# Altium PCB BW1097.PcbDoc (part 2 of 7) (continued)
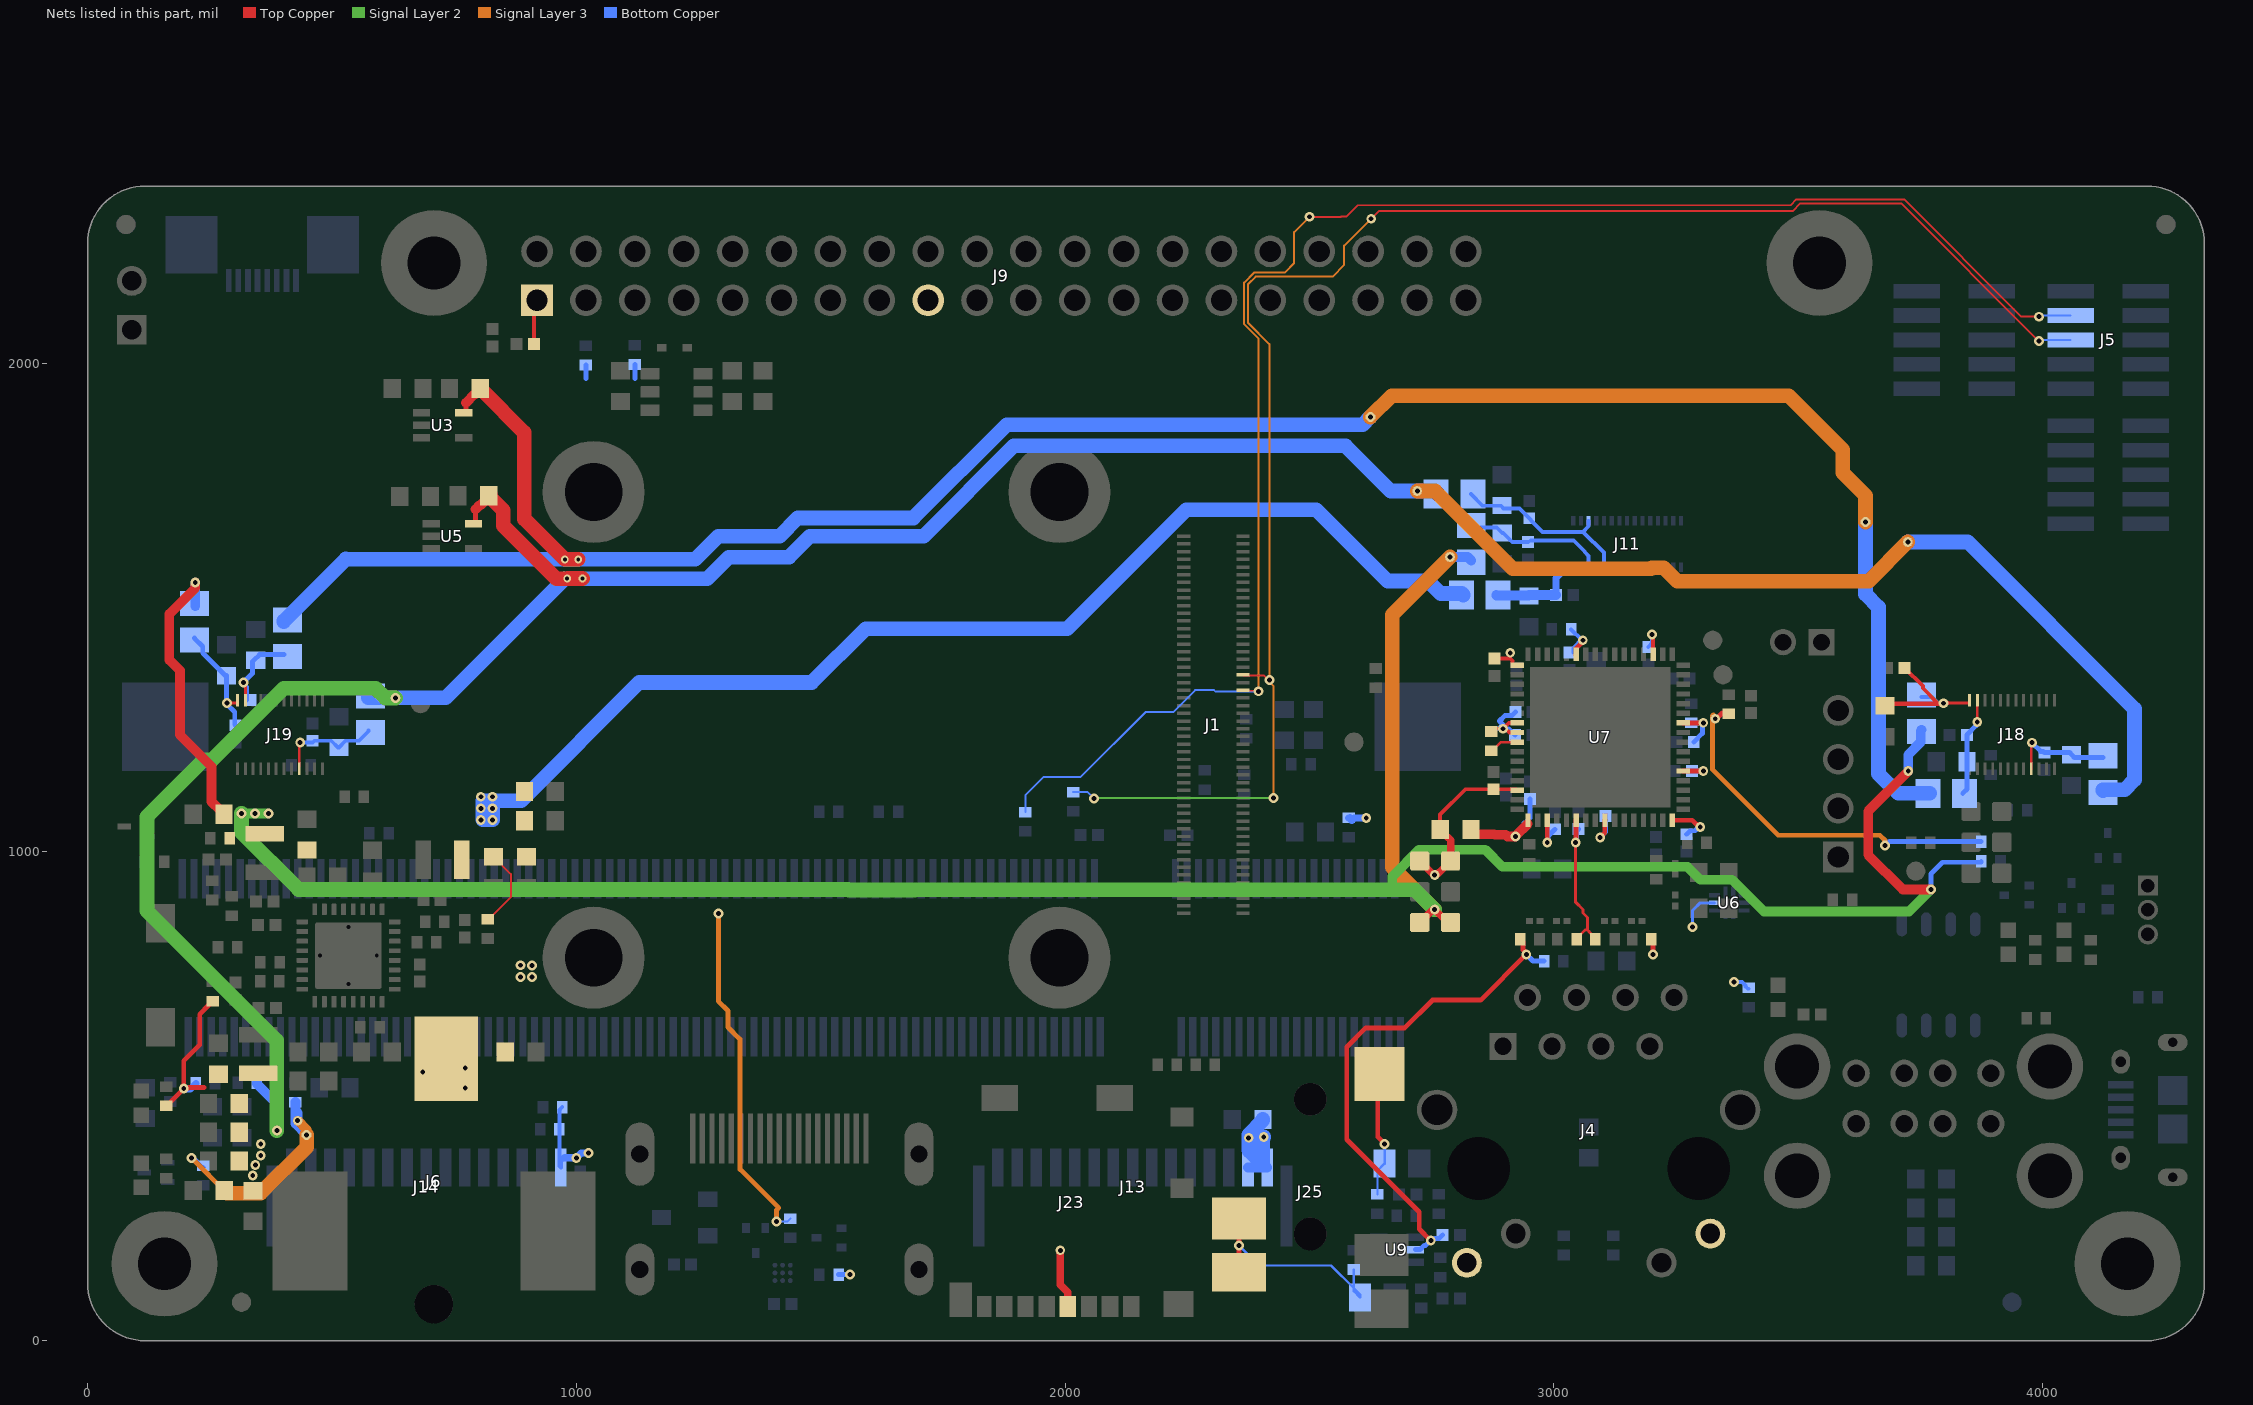
[diagram p6: the nets of this part, all layers, seen from the top]
## Part data (continued)
D6: library part SML-D12U8WT86, "LED RED DIFFUSED 0603 SMD Red 620nm LED Indication - Discrete 2.2V 0603 (1608 Metric)", Case/Package=0603, Case Code (Metric)=1608, Color=Red, Forward Current=20mA, Forward Voltage=2.2V, Lens Color=White,Clear,Diffused, Manufacturer 1=Rohm, Max Operating Temperature=85°C, Min Operating Temperature=-40°C, Package Quantity=1, Supplier Part Number 1=511-1580-1-ND, Case Code (Imperial)=0603, ComponentLink1Description=https://datasheet.ciiva.com/11774/0900766b80df3ada-11774020.pdf?src-supplier=RSComponents, ComponentLink1URL=https://datasheet.ciiva.com/11774/0900766b80df3ada-11774020.pdf?src-supplier=RSComponents, ComponentLink2Description=https://datasheet.ciiva.com/2110/sml-d1-2110375.pdf?src-supplier=Digi-Key, ComponentLink2URL=https://datasheet.ciiva.com/2110/sml-d1-2110375.pdf?src-supplier=Digi-Key, ComponentLink3Description=https://datasheet.ciiva.com/2110/sml-d1-2110376.pdf?src-supplier=Digi-Key, ComponentLink3URL=https://datasheet.ciiva.com/2110/sml-d1-2110376.pdf?src-supplier=Digi-Key, ComponentLink4Description=https://datasheet.ciiva.com/2110/sml-d1-2110377.pdf?src-supplier=Digi-Key, ComponentLink4URL=https://datasheet.ciiva.com/2110/sml-d1-2110377.pdf?src-supplier=Digi-Key, ComponentLink5Description=https://datasheet.ciiva.com/9324/sml-d1-9324826.pdf?src-supplier=Avnet, ComponentLink5URL=https://datasheet.ciiva.com/9324/sml-d1-9324826.pdf?src-supplier=Avnet, ComponentLink6Description=https://datasheet.ciiva.com/17420/sml-d1-17420939.pdf?src-supplier=Avnet+Europe, ComponentLink6URL=https://datasheet.ciiva.com/17420/sml-d1-17420939.pdf?src-supplier=Avnet+Europe, Dominant Wavelength=620nm, Height=0.65mm, Illumination Color=Red, Lead Free="Lead Free", Length=1.6mm, Lens Style=Rectangular,Diffused,Colorless, Lens Transparency=Diffused, Luminous Intensity=63mcd, Manufacturer Part Number 1=SML-D12U8WT86, Mount="Surface Mount", Number of LEDs=1, Number of Pins=2, Packaging="Tape and Reel", Pricing 1="1=0.33000, 10=0.23900, 100=0.11340, 500=0.07560, 1000=0.05922 (USD)", Radiation Hardening=No, REACH SVHC="No SVHC", RoHS=Yes, Stock 1=63748, Supplier 1=Digi-Key, Test Current=20mA, Viewing Angle=160°, Wavelength=620nm, Width=0.8mm
FB1 FB2 FB3 FB4 FB5 FB6 FB7 FB8 FB9: library part 2508056017Y2, "FERRITE BEAD, 0.1OHM, 2A, 0805, 600R/100MHz", Case/Package=0805, Case Code (Metric)=2012, Current Rating=2A, DC Resistance (DCR)=100mR, Frequency=100MHz, Manufacturer 1=Fair-Rite, Max Operating Temperature=125°C, Min Operating Temperature=-55°C, Package Quantity=4000, Resistance=350mR, Supplier Part Number 1=1934-1487-1-ND, Tolerance=25%, Case Code (Imperial)=0805, ComponentLink1Description=https://datasheet.ciiva.com/3854/3802508056017y2-3854245.pdf?src-supplier=Arrow, ComponentLink1URL=https://datasheet.ciiva.com/3854/3802508056017y2-3854245.pdf?src-supplier=Arrow, ComponentLink2Description=https://datasheet.ciiva.com/22735/652149-22735047.pdf?src-supplier=Element14, ComponentLink2URL=https://datasheet.ciiva.com/22735/652149-22735047.pdf?src-supplier=Element14, ComponentLink3Description=https://datasheet.ciiva.com/1127/26143-1127514.pdf?src-supplier=Farnell, ComponentLink3URL=https://datasheet.ciiva.com/1127/26143-1127514.pdf?src-supplier=Farnell, ComponentLink4Description=https://datasheet.ciiva.com/18090/getdatasheetpartid-212640-18090187.pdf?src-supplier=Verical, ComponentLink4URL=https://datasheet.ciiva.com/18090/getdatasheetpartid-212640-18090187.pdf?src-supplier=Verical, ComponentLink5Description=https://datasheet.ciiva.com/7620/26143-7620140.pdf?src-supplier=Element14, ComponentLink5URL=https://datasheet.ciiva.com/7620/26143-7620140.pdf?src-supplier=Element14, DC Current=2A, Depth=1.25mm, Height=0.9mm, Impedance=600R, Length=2mm, Manufacturer Part Number 1=2508056017Y2, Max DC Current=2A, Military Standard=Not, Number of Pins=2, Packaging="Tape and Reel", Pricing 1="1=0.10000, 10=0.07900, 25=0.07120, 50=0.05240, 100=0.04520, 250=0.03568, 500=0.03014, 1000=0.02538 (USD)", Radiation Hardening=No, REACH SVHC="No SVHC", RoHS=Yes, Stock 1=100491, Supplier 1=Digi-Key, Termination=SMD/SMT, Test Frequency=100MHz, Width=1.25mm
FID1 FID2 FID3 FID4 FID5 FID6: library part FIDUCIAL, "Fiducial with various available footprints"
J1: library part DF40HC(3.0)-100DS-0.4V_BW1099_G2, "CONN RCPT 100POS 0.4MM SMD GOLD", Manufacturer 1=Hirose, Manufacturer Part Number 1=DF40HC(3.0)-100DS-0.4V(51, Manufacturer Part Number 2=DF40HC(3.0)-100DS-0.4V(58), Package Quantity=1000, Supplier Part Number 1=798-DF40HC30100DS451, ComponentLink1Description=https://datasheet.ciiva.com/46636/ed-df40-20140305-46636517.pdf?src-supplier=Digi-Key, ComponentLink1URL=https://datasheet.ciiva.com/46636/ed-df40-20140305-46636517.pdf?src-supplier=Digi-Key, ComponentLink2Description=https://datasheet.ciiva.com/18562/ed-df40-20140305-18562189.pdf?src-supplier=Digi-Key, ComponentLink2URL=https://datasheet.ciiva.com/18562/ed-df40-20140305-18562189.pdf?src-supplier=Digi-Key, ComponentLink3Description=https://datasheet.ciiva.com/13559/ed-df40-20140305-13559540.pdf?src-supplier=Mouser, ComponentLink3URL=https://datasheet.ciiva.com/13559/ed-df40-20140305-13559540.pdf?src-supplier=Mouser, ComponentLink4Description=https://datasheet.ciiva.com/18562/ed-df40-20140305-18562462.pdf?src-supplier=Digi-Key, ComponentLink4URL=https://datasheet.ciiva.com/18562/ed-df40-20140305-18562462.pdf?src-supplier=Digi-Key, Connector Type=Receptacle, Contact Plating=Gold, Lead Free="Lead Free", Manufacturer 2=Hirose, Mated Stacking Height=3mm, Mount="Surface Mount", Number of Positions=100, Number of Rows=2, Packaging="Tape and Reel", Pitch=0.016inch, Pricing 1="1=2.54000, 10=2.26000, 25=2.07000, 50=2.07000, 100=1.98000, 250=1.79000, 500=1.65000, 1000=1.41000, 3000=1.32000, 6000=1.23000, 10000=1.23000 (USD)", Pricing 2="1=2.50000, 10=2.40000, 25=2.10000, 50=2.10000, 100=2.00000, 250=1.76000, 500=1.71000, 1000=1.45000, 2000=1.36000, 5000=1.31000, 10000=1.31000 (USD)", RoHS=Yes, Stock 1=2172, Stock 2=2078, Supplier 1=Mouser, Supplier 2=Mouser, Supplier Part Number 2=798-DF40HC30100DS458
J2: library part GRPB031VWVN-RC, "CONN HEADER VERT 3POS 1.27MM", Manufacturer 1=Sullins, Package Quantity=1, Supplier Part Number 1=S9014E-03-ND, ComponentLink1Description=https://datasheet.ciiva.com/726/71-grpb-1vwvn-rc-10957-c-726649.pdf?src-supplier=Digi-Key, ComponentLink1URL=https://datasheet.ciiva.com/726/71-grpb-1vwvn-rc-10957-c-726649.pdf?src-supplier=Digi-Key, Connector Type="Male Pin", Contact Mating Length=0.118inch, Contact Plating=Gold, Lead Free="Lead Free", Manufacturer Part Number 1=GRPB031VWVN-RC, Mount="Through Hole", Number of Positions=3, Number of Rows=1, Packaging=Bulk, Pitch=0.05inch, Pricing 1="1=0.28000, 10=0.26100, 100=0.18300, 500=0.15688, 1000=0.13073, 5000=0.11205, 10000=0.10790 (USD)", RoHS=Yes, Stock 1=114623, Supplier 1=Digi-Key, Supplier 2="Future Electronics", Supplier Part Number 2=GRPB031VWVN-RC-BAG, Termination=Solder
J3: library part M50-1900005, "CONN SHUNT 1.27MM BLACK", Color=Black, Contact Resistance=20mR, Current Rating=1A, Flammability Rating="UL94 V-0", Insulation Resistance=1R, Manufacturer 1=Harwin, Max Operating Temperature=105°C, Min Operating Temperature=-40°C, Package Quantity=1000, Supplier Part Number 1=952-1730-ND, Voltage Rating=500V, ComponentLink1Description=https://datasheet.ciiva.com/767/m50-19x-767925.pdf?src-supplier=Digi-Key, ComponentLink1URL=https://datasheet.ciiva.com/767/m50-19x-767925.pdf?src-supplier=Digi-Key, ComponentLink2Description=https://datasheet.ciiva.com/1412/1836978-1412124.pdf?src-supplier=Element14, ComponentLink2URL=https://datasheet.ciiva.com/1412/1836978-1412124.pdf?src-supplier=Element14, Contact Material="Copper Alloy", Contact Plating=Gold, Depth=3mm, Height=0.118inch, Housing Color=Black, Housing Material=Nylon, Length=2.5mm, Manufacturer Part Number 1=M50-1900005, Max Current Rating=1A, Number of Contacts=3, Number of Positions=2, Number of Rows=1, Orientation=Straight, Packaging=Bulk, Pitch=1.27mm, Pricing 1="1=0.33000, 10=0.30800, 25=0.26400, 50=0.22440, 100=0.21560, 250=0.19360, 500=0.18480, 1000=0.15400, 2500=0.14080 (USD)", Radiation Hardening=No, REACH SVHC="No SVHC", RoHS=Yes, Stock 1=19754, Supplier 1=Digi-Key
J4: "CONN MAGJACK 1PORT 100 BASE-TX 1 Port RJ45 Magjack Connector Through Hole 10/100 Base-TX, AutoMDIX", Color=Green,Yellow, Current Rating=8mA, Manufacturer 1=Pulse, Max Operating Temperature=70°C, Min Operating Temperature=0°C, Package Quantity=30, Supplier Part Number 1=553-1483-ND, ComponentLink1Description=https://datasheet.ciiva.com/3138/+j403-3138718.pdf?src-supplier=Avnet, ComponentLink1URL=https://datasheet.ciiva.com/3138/+j403-3138718.pdf?src-supplier=Avnet, ComponentLink2Description=https://datasheet.ciiva.com/16650/+j403-16650550.pdf?src-supplier=Avnet+Europe, ComponentLink2URL=https://datasheet.ciiva.com/16650/+j403-16650550.pdf?src-supplier=Avnet+Europe, Connector Type=RJ45, Contact Material=Bronze, Contact Plating=Gold, Depth=21.59mm, Direction=Down, Gender=Female, Housing Material=Thermoplastic, Lead Free="Lead Free", Length=16.26mm, Manufacturer Part Number 1=J0011D01BNL, Mount="Through Hole", Number of Contacts=8, Number of Cores per Jack=4, Number of Ports=1, Number of Positions Loaded=8, Number of Rows=1, Orientation="Right Angle", Packaging=Tray, Pitch=2.54mm, Pricing 1="1=7.92000, 10=7.59000, 25=6.93000, 50=6.60000, 100=6.27000, 250=5.61000, 500=5.28000, 1000=4.62000 (USD)", Radiation Hardening=No, RoHS=Yes, Shielding=Shielded, Stock 1=2382, Supplier 1=Digi-Key, Supplier 2=Arrow, Supplier 3=Mouser, Supplier 4=TTI, Supplier Part Number 2=J0011D01BNL, Supplier Part Number 3=673-J0011D01BNL, Supplier Part Number 4=J0011D01BNL, Termination=Solder
J5 J7 J8: "CONN HEADER SMD 10POS 1.27MM", Color=Black, Contact Resistance=30mR, Manufacturer 1="Amphenol FCI", Max Operating Temperature=85°C, Max Voltage Rating (AC)=125V, Min Operating Temperature=-40°C, Package Quantity=93, Supplier Part Number 1=609-6529-ND, ComponentLink1Description=https://datasheet.ciiva.com/18659/20021121-18659066.pdf?src-supplier=Digi-Key, ComponentLink1URL=https://datasheet.ciiva.com/18659/20021121-18659066.pdf?src-supplier=Digi-Key, ComponentLink2Description=https://datasheet.ciiva.com/10033/20021121-10033582.pdf?src-supplier=Avnet, ComponentLink2URL=https://datasheet.ciiva.com/10033/20021121-10033582.pdf?src-supplier=Avnet, Connector Type="Male Pin", Contact Material="Copper Alloy", Contact Mating Length=0.12inch, Contact Plating=Gold, Depth=3.4mm, Housing Color=Black, Housing Material=Thermoplastic, Length=6.35mm, Manufacturer Part Number 1=20021121-00010T1LF, Mount="Surface Mount", Number of Contacts=10, Number of Positions=10, Number of Rows=2, Orientation=Straight, Packaging=Rail/Tube, Pitch=1.27mm, Pricing 1="1=0.77000, 10=0.71800, 100=0.55040, 500=0.47860, 1000=0.39485, 5000=0.34699, 10000=0.32306 (USD)", RoHS=Yes, Row Spacing=0.05inch, Stock 1=1465, Supplier 1=Digi-Key, Supplier 2=Mouser, Supplier 3=TTI, Supplier Part Number 2=649-200211210010T1LF, Supplier Part Number 3=20021121-00010T1LF, Termination=Solder
J6: "CONN PWR JACK 2X5.5MM SOLDER", Case/Package=SMD/SMT, Color=Black, Current Rating=5A, Flammability Rating="UL94 V-0", Insulation Resistance=100MR, Manufacturer 1=CUI, Max Operating Temperature=85°C, Min Operating Temperature=-25°C, Package Quantity=1000, Supplier Part Number 1=CP-036AHPJCT-ND, Voltage Rating=24V, ComponentLink1Description=http://www.mouser.com/ds/2/670/pj-036ah-smt-516063.pdf?src-supplier=Mouser, ComponentLink1URL=http://www.mouser.com/ds/2/670/pj-036ah-smt-516063.pdf?src-supplier=Mouser, ComponentLink2Description=http://www.cui.com/Product/Resource/FuturePDF/PJ-036AH-SMT.pdf?src-supplier=Future+Electronics, ComponentLink2URL=http://www.cui.com/Product/Resource/FuturePDF/PJ-036AH-SMT.pdf?src-supplier=Future+Electronics, ComponentLink3Description=https://www.cui.com/product/resource/digikeypdf/pj-036ah-smt-tr.pdf?src-supplier=Digi-Key, ComponentLink3URL=https://www.cui.com/product/resource/digikeypdf/pj-036ah-smt-tr.pdf?src-supplier=Digi-Key, ComponentLink4Description=http://datasheet.octopart.com/PJ-036AH-SMT-TR-CUI-datasheet-100142517.pdf?src-supplier=CUI, ComponentLink4URL=http://datasheet.octopart.com/PJ-036AH-SMT-TR-CUI-datasheet-100142517.pdf?src-supplier=CUI, ComponentLink5Description=http://datasheet.octopart.com/PJ-036AH-SMT-TR-CUI-datasheet-103764787.pdf?src-supplier=CUI, ComponentLink5URL=http://datasheet.octopart.com/PJ-036AH-SMT-TR-CUI-datasheet-103764787.pdf?src-supplier=CUI, ComponentLink6Description=http://datasheet.octopart.com/PJ-036AH-SMT-TR-CUI-datasheet-103110338.pdf?src-supplier=Electro+Sonic, ComponentLink6URL=http://datasheet.octopart.com/PJ-036AH-SMT-TR-CUI-datasheet-103110338.pdf?src-supplier=Electro+Sonic, ComponentLink7Description=http://datasheet.octopart.com/PJ-036AH-SMT-TR-CUI-datasheet-13308170.pdf?src-supplier=Future+Electronics, ComponentLink7URL=http://datasheet.octopart.com/PJ-036AH-SMT-TR-CUI-datasheet-13308170.pdf?src-supplier=Future+Electronics, ComponentLink8Description=http://datasheet.octopart.com/PJ-036AH-SMT-TR-CUI-datasheet-98439734.pdf?src-supplier=Future+Electronics, ComponentLink8URL=http://datasheet.octopart.com/PJ-036AH-SMT-TR-CUI-datasheet-98439734.pdf?src-supplier=Future+Electronics, ComponentLink9Description=http://datasheet.octopart.com/PJ-036AH-SMT-TR-CUI-datasheet-100337374.pdf?src-supplier=Future+Electronics, ComponentLink9URL=http://datasheet.octopart.com/PJ-036AH-SMT-TR-CUI-datasheet-100337374.pdf?src-supplier=Future+Electronics, ComponentLink10Description=http://datasheet.octopart.com/PJ-036AH-SMT-TR-CUI-datasheet-102985011.pdf?src-supplier=Future+Electronics, ComponentLink10URL=http://datasheet.octopart.com/PJ-036AH-SMT-TR-CUI-datasheet-102985011.pdf?src-supplier=Future+Electronics, Connector Type=Jack, Contact Gender=Male, Contact Material=Brass, Contact Plating=Silver, Gender=Male, Housing Color=Black, Housing Material=Thermoplastic, Lead Free="Lead Free", Manufacturer 2=CUI, Manufacturer Part Number 1=PJ-036AH-SMT-TR, Manufacturer Part Number 2=PJ-036AH-SMT-TR, Mount="Surface Mount", Number of Conductors=2, Orientation=Horizontal, Packaging="Tape and Reel", Pricing 1="1=1.39000, 10=1.26100, 25=1.18400, 50=1.13260, 100=1.08110 (USD)", Pricing 2="1=1.36000, 10=1.20000, 25=1.13000, 50=1.08000, 100=1.03000, 200=0.93600, 400=0.84300, 1000=0.74900, 2400=0.67900, 10000=0.67900 (USD)", RoHS=Yes, Shielding=Unshielded, Stock 1=14194, Stock 2=2079, Supplier 1=Digi-Key, Supplier 2=Mouser, Supplier Part Number 2=490-PJ-036AH-SMT-TR, Termination=SMD/SMT
J9: library part 61304021121_RPI_40pin, "CONN HEADER VERT 40POS 2.54MM THT HDR_RaspberryPI_40pin", Color=Black, Contact Resistance=20mOhm, Manufacturer="Wurth Elektronik", Manufacturer 1="Wurth Electronics", Manufacturer Part Number 1=61304021121, Operating Temperature=-40to105degC, Rated Current=3A, Supplier Part Number 1=732-5310-ND, Withstanding Voltage=500VAC, Working Voltage=250VAC, ComponentLink1Description=http://www.farnell.com/datasheets/1442180.pdf?src-supplier=Farnell, ComponentLink1URL=http://www.farnell.com/datasheets/1442180.pdf?src-supplier=Farnell, ComponentLink2Description=http://www.farnell.com/datasheets/1442180.pdf?src-supplier=Element14, ComponentLink2URL=http://www.farnell.com/datasheets/1442180.pdf?src-supplier=Element14, ComponentLink3Description=http://www.farnell.com/datasheets/1442180.pdf?src-supplier=Newark, ComponentLink3URL=http://www.farnell.com/datasheets/1442180.pdf?src-supplier=Newark, ComponentLink4Description=https://katalog.we-online.de/em/datasheet/6130xx21121.pdf?src-supplier=Digi-Key, ComponentLink4URL=https://katalog.we-online.de/em/datasheet/6130xx21121.pdf?src-supplier=Digi-Key, Connector Type="Male Pin", Contact Material=Copper, Contact Mating Length=0.236inch, Contact Plating=Gold, Datasheet URL=https://katalog.we-online.de/em/datasheet/6130xx21121.pdf, Gender=Male, Manufacturer URL=http://www.we-online.de, Mount="Through Hole", Mounting Technology=THT, Number of Contacts=40, Number of Positions=40, Number of Rows=2, Orientation=Vertical, Package Reference=61304021121, Packaging=Bag, Part Number=61304021121, Pin Number=40, Pitch=2.54mm, Pricing 1="1=1.89000, 10=1.60200, 25=1.33520, 50=1.11300, 100=1.01200, 500=0.92000 (USD)", Publisher=WurthElektronik, REACH SVHC=Unknown, RoHS=Yes, Row Number=Dual, Row Spacing=0.1inch, Stock 1=969, Supplier 1=Digi-Key, Supplier 2=Newark, Supplier 3=Mouser, Supplier 4=Farnell, Supplier 5=Element14, Supplier Part Number 2=20X1011, Supplier Part Number 3=710-61304021121, Supplier Part Number 4=2356148, Supplier Part Number 5=2356148, Termination=Solder
J10: library part 685119134923, "CONN RCPT HDMI 19POS SMD R/A", Color=Black, Manufacturer 1="Wurth Electronics", Package Quantity=250, Supplier Part Number 1=732-2737-1-ND, Body Material=Plastic, ComponentLink1Description=https://datasheet.ciiva.com/851/685119134923-851552.pdf?src-supplier=Digi-Key, ComponentLink1URL=https://datasheet.ciiva.com/851/685119134923-851552.pdf?src-supplier=Digi-Key, ComponentLink2Description=https://datasheet.ciiva.com/5053/685119134923-63804-5053219.pdf?src-supplier=Mouser, ComponentLink2URL=https://datasheet.ciiva.com/5053/685119134923-63804-5053219.pdf?src-supplier=Mouser, ComponentLink3Description=https://datasheet.ciiva.com/1095/638362-1095543.pdf?src-supplier=Newark, ComponentLink3URL=https://datasheet.ciiva.com/1095/638362-1095543.pdf?src-supplier=Newark, ComponentLink4Description=https://datasheet.ciiva.com/851/685119134923-851553.pdf?src-supplier=Digi-Key, ComponentLink4URL=https://datasheet.ciiva.com/851/685119134923-851553.pdf?src-supplier=Digi-Key, ComponentLink5Description=https://datasheet.ciiva.com/1094/638362-1094939.pdf?src-supplier=Element14, ComponentLink5URL=https://datasheet.ciiva.com/1094/638362-1094939.pdf?src-supplier=Element14, ComponentLink6Description=https://datasheet.ciiva.com/14118/4257090-eng-datasheet-14118205.pdf?src-supplier=Distrelec, ComponentLink6URL=https://datasheet.ciiva.com/14118/4257090-eng-datasheet-14118205.pdf?src-supplier=Distrelec, Connector Type=HDMI,Socket, Contact Material=Bronze, Features=Shielded, Gender=Receptacle, Height=5.55mm, Length=12.15mm, Manufacturer Part Number 1=685119134923, Mount="Surface Mount,Horizontal", Number of Contacts=19, Number of Positions=19, Orientation="Right Angle", Packaging="Tape and Reel", Pricing 1="1=2.36000, 10=2.33000, 50=2.11100, 100=1.89300 (USD)", REACH SVHC=Unknown, RoHS=Yes, Stock 1=3955, Supplier 1=Digi-Key, Supplier 2=Newark, Supplier 3=Mouser, Supplier Part Number 2=13T9717, Supplier Part Number 3=710-685119134923, Termination=SMD/SMT, Width=15mm
J11: library part A12N02A-201_Connector, "CONN Series 5804 board to board 0.4mm pitch 30 way connector", Manufacturer 1="Kyocera International Electronic Components", Manufacturer Part Number 1=245804030000829+, Supplier Part Number 1=478-12013-1-ND, ComponentLink1Description=http://global.kyocera.com/prdct/electro/product/pdf/5804.pdf?src-supplier=Digi-Key, ComponentLink1URL=http://global.kyocera.com/prdct/electro/product/pdf/5804.pdf?src-supplier=Digi-Key, MAN=AVX/KYOCERA, MAN PN=24-5804-030-000-829+, Pricing 1="1=1.69000, 10=1.53600, 25=1.44200, 50=1.37940, 100=1.31670, 250=1.19132, 500=1.09726, 1000=0.94050 (USD)", RoHS=No, Stock 1=11469, Supplier 1=Digi-Key
J12: library part 68710814522, "CONN FPC BOTTOM 8POS 0.50MM R/A 8 Position FPC Connector Contacts, Bottom 0.020\" (0.50mm) Surface Mount, Right Angle", Current Rating=500mA, Flammability Rating="UL94 V-0", Insulation Resistance=100MR, Manufacturer 1="Wurth Electronics", Max Operating Temperature=85°C, Min Operating Temperature=-25°C, Package Quantity=2000, Supplier Part Number 1=732-2011-1-ND, Voltage Rating=50V, Actuator Material="Polymer,Liquid Crystal Polymer", ComponentLink1Description=https://datasheet.ciiva.com/670/6871xx14522-670726.pdf?src-supplier=Digi-Key, ComponentLink1URL=https://datasheet.ciiva.com/670/6871xx14522-670726.pdf?src-supplier=Digi-Key, ComponentLink2Description=https://datasheet.ciiva.com/670/6871xx14522-670727.pdf?src-supplier=Digi-Key, ComponentLink2URL=https://datasheet.ciiva.com/670/6871xx14522-670727.pdf?src-supplier=Digi-Key, ComponentLink3Description=https://datasheet.ciiva.com/670/6871xx14522-670728.pdf?src-supplier=Digi-Key, ComponentLink3URL=https://datasheet.ciiva.com/670/6871xx14522-670728.pdf?src-supplier=Digi-Key, ComponentLink4Description=https://datasheet.ciiva.com/14153/6871xx14522-eng-datasheet-14153886.pdf?src-supplier=Distrelec, ComponentLink4URL=https://datasheet.ciiva.com/14153/6871xx14522-eng-datasheet-14153886.pdf?src-supplier=Distrelec, ComponentLink5Description=https://datasheet.ciiva.com/29318/709082-da-01-en-smd-zif-stecker-90grad-kontakte-unten-8-29318044.pdf?src-supplier=Conrad, ComponentLink5URL=https://datasheet.ciiva.com/29318/709082-da-01-en-smd-zif-stecker-90grad-kontakte-unten-8-29318044.pdf?src-supplier=Conrad, Contact Location=Bottom, Contact Material=Bronze,Tin, Contact Plating=Tin, Gender=Male, Housing Material="Liquid Crystal Polymer", Length=10.4mm, Manufacturer Part Number 1=68710814522, Mount="Surface Mount", Number of Contacts=8, Number of Positions=8, Number of Rows=1, Orientation=Straight, Packaging="Tape and Reel", Pitch=0.5mm, Pricing 1="1=1.03000, 10=0.99100, 50=0.92300, 100=0.85400, 500=0.78600, 1000=0.71800 (USD)", REACH SVHC=Unknown, RoHS=Yes, Stock 1=1995, Supplier 1=Digi-Key, Termination=SMD/SMT, Width=2.1mm
J13 J14: library part SFW15R-2STE1LF, "CONN FFC FPC TOP 15POS 1MM R/A", Contact Resistance=30mR, Current Rating=1A, Flammability Rating="UL94 V-0", Housing Color=Brown, Insulation Resistance=500MR, Manufacturer=Amphenol, Manufacturer 1="Amphenol FCI", Max Operating Temperature=105°C, Max Voltage Rating (AC)=100V, Min Operating Temperature=-55°C, Package Quantity=2000, Supplier Part Number 1=609-1906-1-ND, Actuator Material=Glass, ComponentLink1Description=https://datasheet.ciiva.com/670/sfw12lf-670088.pdf?src-supplier=Digi-Key, ComponentLink1URL=https://datasheet.ciiva.com/670/sfw12lf-670088.pdf?src-supplier=Digi-Key, ComponentLink2Description=https://datasheet.ciiva.com/670/sfw12lf-670089.pdf?src-supplier=Digi-Key, ComponentLink2URL=https://datasheet.ciiva.com/670/sfw12lf-670089.pdf?src-supplier=Digi-Key, ComponentLink3Description=https://datasheet.ciiva.com/670/sfw12lf-670090.pdf?src-supplier=Digi-Key, ComponentLink3URL=https://datasheet.ciiva.com/670/sfw12lf-670090.pdf?src-supplier=Digi-Key, ComponentLink4Description=https://datasheet.ciiva.com/5138/sfw12lf-5138988.pdf?src-supplier=Mouser, ComponentLink4URL=https://datasheet.ciiva.com/5138/sfw12lf-5138988.pdf?src-supplier=Mouser, ComponentLink5Description=http://datasheet.octopart.com/SFW15R-2STE1LF-Areva-datasheet-119238.pdf?src-supplier=Mouser, ComponentLink5URL=http://datasheet.octopart.com/SFW15R-2STE1LF-Areva-datasheet-119238.pdf?src-supplier=Mouser, ComponentLink6Description=http://datasheet.octopart.com/SFW15R-2STE1LF-Areva-datasheet-8760026.pdf?src-supplier=_legacy+Avnet, ComponentLink6URL=http://datasheet.octopart.com/SFW15R-2STE1LF-Areva-datasheet-8760026.pdf?src-supplier=_legacy+Avnet, ComponentLink7Description=http://datasheet.octopart.com/SFW15R-2STE1LF-Amphenol-datasheet-94059633.pdf?src-supplier=Newark, ComponentLink7URL=http://datasheet.octopart.com/SFW15R-2STE1LF-Amphenol-datasheet-94059633.pdf?src-supplier=Newark, ComponentLink8Description=http://datasheet.octopart.com/SFW15R-2STE1LF-Amphenol-ICC-datasheet-94059633.pdf?src-supplier=Farnell, ComponentLink8URL=http://datasheet.octopart.com/SFW15R-2STE1LF-Amphenol-ICC-datasheet-94059633.pdf?src-supplier=Farnell, ComponentLink9Description=http://datasheet.octopart.com/SFW15R-2STE1LF-Amphenol-ICC-datasheet-8760026.pdf?src-supplier=Future+Electronics, ComponentLink9URL=http://datasheet.octopart.com/SFW15R-2STE1LF-Amphenol-ICC-datasheet-8760026.pdf?src-supplier=Future+Electronics, Component Subtype=FPC/FFC, Component Type=Connector, Contact Location=Top, Contact Material=Bronze, Contact Plating=Tin, Depth=6mm, Housing Material=Polyphenylene, Lead Free="Lead Free", Length=20.8mm, Manufacturer 2="Amphenol FCI", Manufacturer 3="Amphenol FCI", Manufacturer Part Number 1=SFW15R-2STE1LF, Manufacturer Part Number 2=SFW15R-2STE1LF, Manufacturer Part Number 3=SFW15R-2STE1LF, Manufacturer PN=SFW15R-2STE1LF, Mount=SMT, Number of Contacts=15, Number of Positions=15, Number of Rows=1, Orientation="Right Angle", Packaging="Tape and Reel", Pitch=1mm, Pricing 1="1=0.51000, 10=0.48200, 25=0.43400, 50=0.38580, 100=0.36960, 250=0.33748, 500=0.32142, 1000=0.26517 (USD)", Pricing 2="1=0.51000, 10=0.48200, 25=0.43400, 50=0.38580, 100=0.36960, 250=0.33748, 500=0.32142, 1000=0.26517 (USD)", Pricing 3="1=0.46000, 10=0.35000, 100=0.33600, 500=0.29200, 1000=0.24100, 2000=0.21900, 4000=0.21100, 10000=0.19700, 24000=0.19400 (USD)", RoHS=Yes, Stock 1=4348, Stock 2=4348, Stock 3=4218, Supplier 1=Digi-Key, Supplier 2=Digi-Key, Supplier 3=Mouser, Supplier Part Number 2=609-1906-6-ND, Supplier Part Number 3=649-SFW15R-2STE1LF, Termination=Solder, Voltage Rating=100V, Voltage Rating (AC)=100V, Width=5.5mm, Wire/Cable Type=Straight
J15: "CONN HEADER VERT 2POS 2MM", Color=Natural, Contact Resistance=20mR, Current Rating=2A, Housing Color=White, Insulation Resistance=1MR, Manufacturer 1=JST, Max Operating Temperature=85°C, Max Voltage Rating (AC)=100V, Min Operating Temperature=-25°C, Supplier Part Number 1=455-1704-ND, ComponentLink1Description=https://datasheet.ciiva.com/6747/80560-6747392.pdf?src-supplier=Newark, ComponentLink1URL=https://datasheet.ciiva.com/6747/80560-6747392.pdf?src-supplier=Newark, ComponentLink2Description=https://datasheet.ciiva.com/11746/0900766b8082f551-11746676.pdf?src-supplier=RSComponents, ComponentLink2URL=https://datasheet.ciiva.com/11746/0900766b8082f551-11746676.pdf?src-supplier=RSComponents, ComponentLink3Description=https://datasheet.ciiva.com/8052/80560-8052022.pdf?src-supplier=Element14, ComponentLink3URL=https://datasheet.ciiva.com/8052/80560-8052022.pdf?src-supplier=Element14, ComponentLink4Description=https://datasheet.ciiva.com/712/eph-712442.pdf?src-supplier=Digi-Key, ComponentLink4URL=https://datasheet.ciiva.com/712/eph-712442.pdf?src-supplier=Digi-Key, ComponentLink5Description=https://datasheet.ciiva.com/16422/b2b-ph-k-slfsn-16422715.pdf?src-supplier=Future+Electronics, ComponentLink5URL=https://datasheet.ciiva.com/16422/b2b-ph-k-slfsn-16422715.pdf?src-supplier=Future+Electronics, Connector Type="Male Pin", Contact Material=Brass, Contact Mating Length=0.13inch, Contact Plating=Tin, Depth=4.5mm, Fastening Type=Detent, Gender=Male, Height=9.4mm, Housing Material=Polyamide, Lead Free="Lead Free", Lead Pitch=2mm, Length=5.9mm, Manufacturer Part Number 1=B2B-PH-K-S(LF)(SN), Max Current Rating=2A, Max Voltage Rating (DC)=100V, Mount="Through Hole", Number of Contacts=2, Number of Pins=2, Number of Poles=2, Number of Positions=2, Number of Rows=1, Orientation=Straight, Packaging=Bulk, Pitch=2mm, Pricing 1="1 = 0.170000, 10 = 0.162000, 100 = 0.100200, 500 = 0.082880, 1000 = 0.072520, 5000 = 0.062160, 10000 = 0.060440 (USD)", REACH SVHC="No SVHC", RoHS=Yes, Stock 1=216199, Supplier 1=Digi-Key, Termination=Solder, Voltage Rating=100V, Voltage Rating (AC)=100V, Width=4.5mm, Working Voltage=100V
J18 J19: library part TG161B-201_Connector, "CONN 24 way, 2 row board to board connector SMD", Manufacturer=ACON, Manufacturer PN=BBR43-24KB533
J21: library part 10118194-0001LF, "CONN RCPT USB2.0 MICRO B SMD R/A USB - micro B USB 2.0 Receptacle Connector 5 Position Surface Mount, Right Angle; Through Hole", Color=Black, Current Rating=1.8A, Flammability Rating="UL94 V-0", Insulation Resistance=1GR, Manufacturer 1="Amphenol FCI", Max Operating Temperature=85°C, Max Voltage Rating (AC)=100V, Min Operating Temperature=-55°C, Package Quantity=9600, Supplier Part Number 1=609-4618-1-ND, ComponentLink1Description=https://datasheet.ciiva.com/4598/10118194ac-197217-4598807.pdf?src-supplier=Mouser, ComponentLink1URL=https://datasheet.ciiva.com/4598/10118194ac-197217-4598807.pdf?src-supplier=Mouser, ComponentLink2Description=https://datasheet.ciiva.com/26945/getdatasheetpartid-418619-26945695.pdf?src-supplier=Verical, ComponentLink2URL=https://datasheet.ciiva.com/26945/getdatasheetpartid-418619-26945695.pdf?src-supplier=Verical, ComponentLink3Description=https://datasheet.ciiva.com/851/10118194-851110.pdf?src-supplier=Digi-Key, ComponentLink3URL=https://datasheet.ciiva.com/851/10118194-851110.pdf?src-supplier=Digi-Key, ComponentLink4Description=https://datasheet.ciiva.com/851/10118194-851111.pdf?src-supplier=Digi-Key, ComponentLink4URL=https://datasheet.ciiva.com/851/10118194-851111.pdf?src-supplier=Digi-Key, Connector Type=USB,Receptacle, Contact Material="Copper Alloy", Contact Plating=Gold, Depth=5mm, Features=Shielded, Gender=Receptacle, Housing Material=Polymer, Lead Free="Lead Free", Length=8.05mm, Manufacturer Part Number 1=10118194-0001LF, Mount="Surface Mount,Horizontal", Number of Contacts=5, Number of Ports=1, Number of Terminals=5, Orientation="Right Angle", Packaging="Tape and Reel", Pitch=0.65mm, Pricing 1="1=0.43000, 10=0.40500, 25=0.36440, 50=0.32400, 100=0.31040, 250=0.28344, 500=0.26994 (USD)", Radiation Hardening=No, RoHS=Yes, Stock 1=69726, Supplier 1=Digi-Key, Termination=Solder
J22: library part 61400826021, "CONN RCPT USB2.0 TYPEA STACK R/A USB - A, Stacked USB 2.0 Receptacle Connector 8 Position Through Hole, Right Angle", Color=White, Current Rating=1A, Flammability Rating="UL94 V-0", Insulation Resistance=1GR, Manufacturer 1="Wurth Electronics", Max Operating Temperature=105°C, Min Operating Temperature=-40°C, Package Quantity=100, Supplier Part Number 1=732-2107-ND, Voltage Rating=30V, ComponentLink1Description=https://datasheet.ciiva.com/1098/1442185-1098931.pdf?src-supplier=Element14, ComponentLink1URL=https://datasheet.ciiva.com/1098/1442185-1098931.pdf?src-supplier=Element14, ComponentLink2Description=https://datasheet.ciiva.com/6743/61400826021-6743655.pdf?src-supplier=Newark, ComponentLink2URL=https://datasheet.ciiva.com/6743/61400826021-6743655.pdf?src-supplier=Newark, ComponentLink3Description=https://datasheet.ciiva.com/4598/61400826021-88262-4598792.pdf?src-supplier=Mouser, ComponentLink3URL=https://datasheet.ciiva.com/4598/61400826021-88262-4598792.pdf?src-supplier=Mouser, ComponentLink4Description=https://datasheet.ciiva.com/11731/0900766b81023ab8-11731306.pdf?src-supplier=RSComponents, ComponentLink4URL=https://datasheet.ciiva.com/11731/0900766b81023ab8-11731306.pdf?src-supplier=RSComponents, Connector Type=USB,Socket, Contact Material="Copper Alloy", Contact Plating=Gold, Gender=Female, Length=15.34mm, Manufacturer Part Number 1=61400826021, Mount="Through Hole,Horizontal", Number of Contacts=8, Number of Ports=2, Number of Positions=8, Orientation=Vertical, Packaging=Tray, Pricing 1="1=1.98000, 10=1.74700, 50=1.64600, 100=1.47800, 250=1.34400 (USD)", REACH SVHC=Unknown, RoHS=Yes, Stock 1=7536, Supplier 1=Digi-Key, Termination=Solder, USB Standard="USB 2.0", Width=17mm
J23: library part 104031-0811, "CONN MICRO SD CARD PUSH-PULL R/A", Manufacturer 1=Molex, Supplier Part Number 1=WM6357CT-ND, Manufacturer Part Number 1=104031-0811, Pricing 1="1=2.02000, 10=1.82900, 25=1.71680, 50=1.64220, 100=1.56760, 250=1.41828, 500=1.30630, 1000=1.11969 (USD)", RoHS=No, Stock 1=19400, Supplier 1=Digi-Key, Supplier 2=Newark, Supplier 3=Mouser, Supplier Part Number 2=99R5410, Supplier Part Number 3=538-104031-0811
J24: library part 1473005-4_ComputeModule, "CONN SKT SODIMM 200POS R/A SMD CM3/CM3Lite/CM1 IO Connector", Contact Current Rating=500mA, Flammability Rating="UL94 V-0", Housing Color=Black, Insulation Resistance=250MR, Manufacturer 1="AMP - TE CONNECTIVITY", Manufacturer Part Number 1=1473005-4, Max Operating Temperature=185°C, Min Operating Temperature=-67°C, Package Quantity=20, Supplier Part Number 1=A114851-ND, Voltage Rating=1.8V, Circuit Application=Power, ComponentLink1Description=https://datasheet.ciiva.com/682/eng-cd-1473005-j2-682720.pdf?src-supplier=Farnell, ComponentLink1URL=https://datasheet.ciiva.com/682/eng-cd-1473005-j2-682720.pdf?src-supplier=Farnell, ComponentLink2Description=https://datasheet.ciiva.com/15171/getdatasheetpartid-99150-15171488.pdf?src-supplier=Verical, ComponentLink2URL=https://datasheet.ciiva.com/15171/getdatasheetpartid-99150-15171488.pdf?src-supplier=Verical, ComponentLink3Description=https://datasheet.ciiva.com/1105/582309-1105221.pdf?src-supplier=Element14, ComponentLink3URL=https://datasheet.ciiva.com/1105/582309-1105221.pdf?src-supplier=Element14, ComponentLink4Description=https://datasheet.ciiva.com/682/eng-cd-1473005-j2-682726.pdf?src-supplier=Digi-Key, ComponentLink4URL=https://datasheet.ciiva.com/682/eng-cd-1473005-j2-682726.pdf?src-supplier=Digi-Key, ComponentLink5Description=https://datasheet.ciiva.com/14156/04821302-14156311.pdf?src-supplier=Distrelec, ComponentLink5URL=https://datasheet.ciiva.com/14156/04821302-14156311.pdf?src-supplier=Distrelec, ComponentLink6Description=https://datasheet.ciiva.com/3136/eng-cd-1473005-j-3136060.pdf?src-supplier=Avnet, ComponentLink6URL=https://datasheet.ciiva.com/3136/eng-cd-1473005-j-3136060.pdf?src-supplier=Avnet, ComponentLink7Description=https://datasheet.ciiva.com/16380/eng-cd-1473005-j-16380909.pdf?src-supplier=Future+Electronics, ComponentLink7URL=https://datasheet.ciiva.com/16380/eng-cd-1473005-j-16380909.pdf?src-supplier=Future+Electronics, ComponentLink8Description=https://datasheet.ciiva.com/16651/eng-cd-1473005-j-16651646.pdf?src-supplier=Avnet+Europe, ComponentLink8URL=https://datasheet.ciiva.com/16651/eng-cd-1473005-j-16651646.pdf?src-supplier=Avnet+Europe, ComponentLink9Description=http://www.farnell.com/datasheets/582309.pdf?src-supplier=Farnell, ComponentLink9URL=http://www.farnell.com/datasheets/582309.pdf?src-supplier=Farnell, Connector System=Cable-to-Board, Connector Type=Socket, Contact Material="Copper Alloy", Contact Plating=Gold, Depth=26mm, ELV=Compliant, Gender=Female, Housing Material=Thermoplastic, Insulation Material=Thermoplastic, Lead Free="Lead Free", Length=71.5mm, Memory Type=SDRAM,DDR, Mount="Surface Mount", Number of Contacts=200, Number of Pins=200, Number of Positions=200, Number of Rows=2, Orientation="Right Angle", Packaging=Tray, PCB Mount Retention=With, Pitch=0.6mm, Pricing 1="1=4.23000, 10=4.06500, 25=3.72640, 50=3.55700, 100=3.38760, 250=2.96416, 500=2.87946, 1000=2.45601, 2500=2.28663 (USD)", Radiation Hardening=No, REACH SVHC="No SVHC", RoHS=Yes, Row Spacing=0.244inch, Sealable="No (Without)", Stack Height=5.2mm, Stock 1=9819, Supplier 1=Digi-Key, Supplier 2=Avnet, Supplier 3=Newark, Supplier 4=Mouser, Supplier Part Number 2=1473005-4, Supplier Part Number 3=22K8810, Supplier Part Number 4=571-1473005-4, Termination=Solder
J25: "CONN JACK 4COND 3.5MM SMD R/A", Case/Package=SMD/SMT, Color=Black, Current Rating=1A, Manufacturer 1=CUI, Manufacturer Part Number 1=SJ-43515RS-SMT-TR, Supplier Part Number 1=490-SJ43515RS-SMT-TR, ComponentLink1Description=https://datasheet.ciiva.com/7368/sj-4351x-smt-series-7368764.pdf?src-supplier=Digi-Key, ComponentLink1URL=https://datasheet.ciiva.com/7368/sj-4351x-smt-series-7368764.pdf?src-supplier=Digi-Key, ComponentLink2Description=https://datasheet.ciiva.com/7368/sj-4351x-smt-series-7368767.pdf?src-supplier=Digi-Key, ComponentLink2URL=https://datasheet.ciiva.com/7368/sj-4351x-smt-series-7368767.pdf?src-supplier=Digi-Key, ComponentLink3Description=http://datasheet.octopart.com/SJ-43515RS-SMT-TR-CUI-datasheet-103775270.pdf?src-supplier=CUI, ComponentLink3URL=http://datasheet.octopart.com/SJ-43515RS-SMT-TR-CUI-datasheet-103775270.pdf?src-supplier=CUI, ComponentLink4Description=http://datasheet.octopart.com/SJ-43515RS-SMT-TR-CUI-datasheet-136901581.pdf?src-supplier=CUI, ComponentLink4URL=http://datasheet.octopart.com/SJ-43515RS-SMT-TR-CUI-datasheet-136901581.pdf?src-supplier=CUI, ComponentLink5Description=http://datasheet.octopart.com/SJ-43515RS-SMT-TR-CUI-datasheet-103114024.pdf?src-supplier=Electro+Sonic, ComponentLink5URL=http://datasheet.octopart.com/SJ-43515RS-SMT-TR-CUI-datasheet-103114024.pdf?src-supplier=Electro+Sonic, ComponentLink6Description=http://datasheet.octopart.com/SJ-43515RS-SMT-TR-CUI-datasheet-13290545.pdf?src-supplier=Future+Electronics, ComponentLink6URL=http://datasheet.octopart.com/SJ-43515RS-SMT-TR-CUI-datasheet-13290545.pdf?src-supplier=Future+Electronics, ComponentLink7Description=http://datasheet.octopart.com/SJ-43515RS-SMT-TR-CUI-datasheet-102990244.pdf?src-supplier=Future+Electronics, ComponentLink7URL=http://datasheet.octopart.com/SJ-43515RS-SMT-TR-CUI-datasheet-102990244.pdf?src-supplier=Future+Electronics, ComponentLink8Description=http://datasheet.octopart.com/SJ-43515RS-SMT-TR-CUI-datasheet-103078434.pdf?src-supplier=Future+Electronics, ComponentLink8URL=http://datasheet.octopart.com/SJ-43515RS-SMT-TR-CUI-datasheet-103078434.pdf?src-supplier=Future+Electronics, Connector Type=Jack, Contact Plating=Silver, Gender=Female, Mount="Surface Mount", Number of Conductors=4, Number of Ports=1, Orientation=Horizontal, Packaging="Tape and Reel", Pricing 1="1=1.07000, 10=0.93900, 50=0.84700, 100=0.81000, 1000=0.58900, 10000=0.53400 (USD)", Shielding=Unshielded, Stock 1=7368, Supplier 1=Mouser, Termination=Solder